# Altium PCB rev6.PcbDoc (part 4 of 4)
Units mil, origin at the board's own origin, x right, y up, seen from the top; angles counter-clockwise.
Board outline 1000 x 900 mil, 2 copper layers (Top Layer, Bottom Layer); 180 components, 16 nets, 1920 pads, 0 vias.
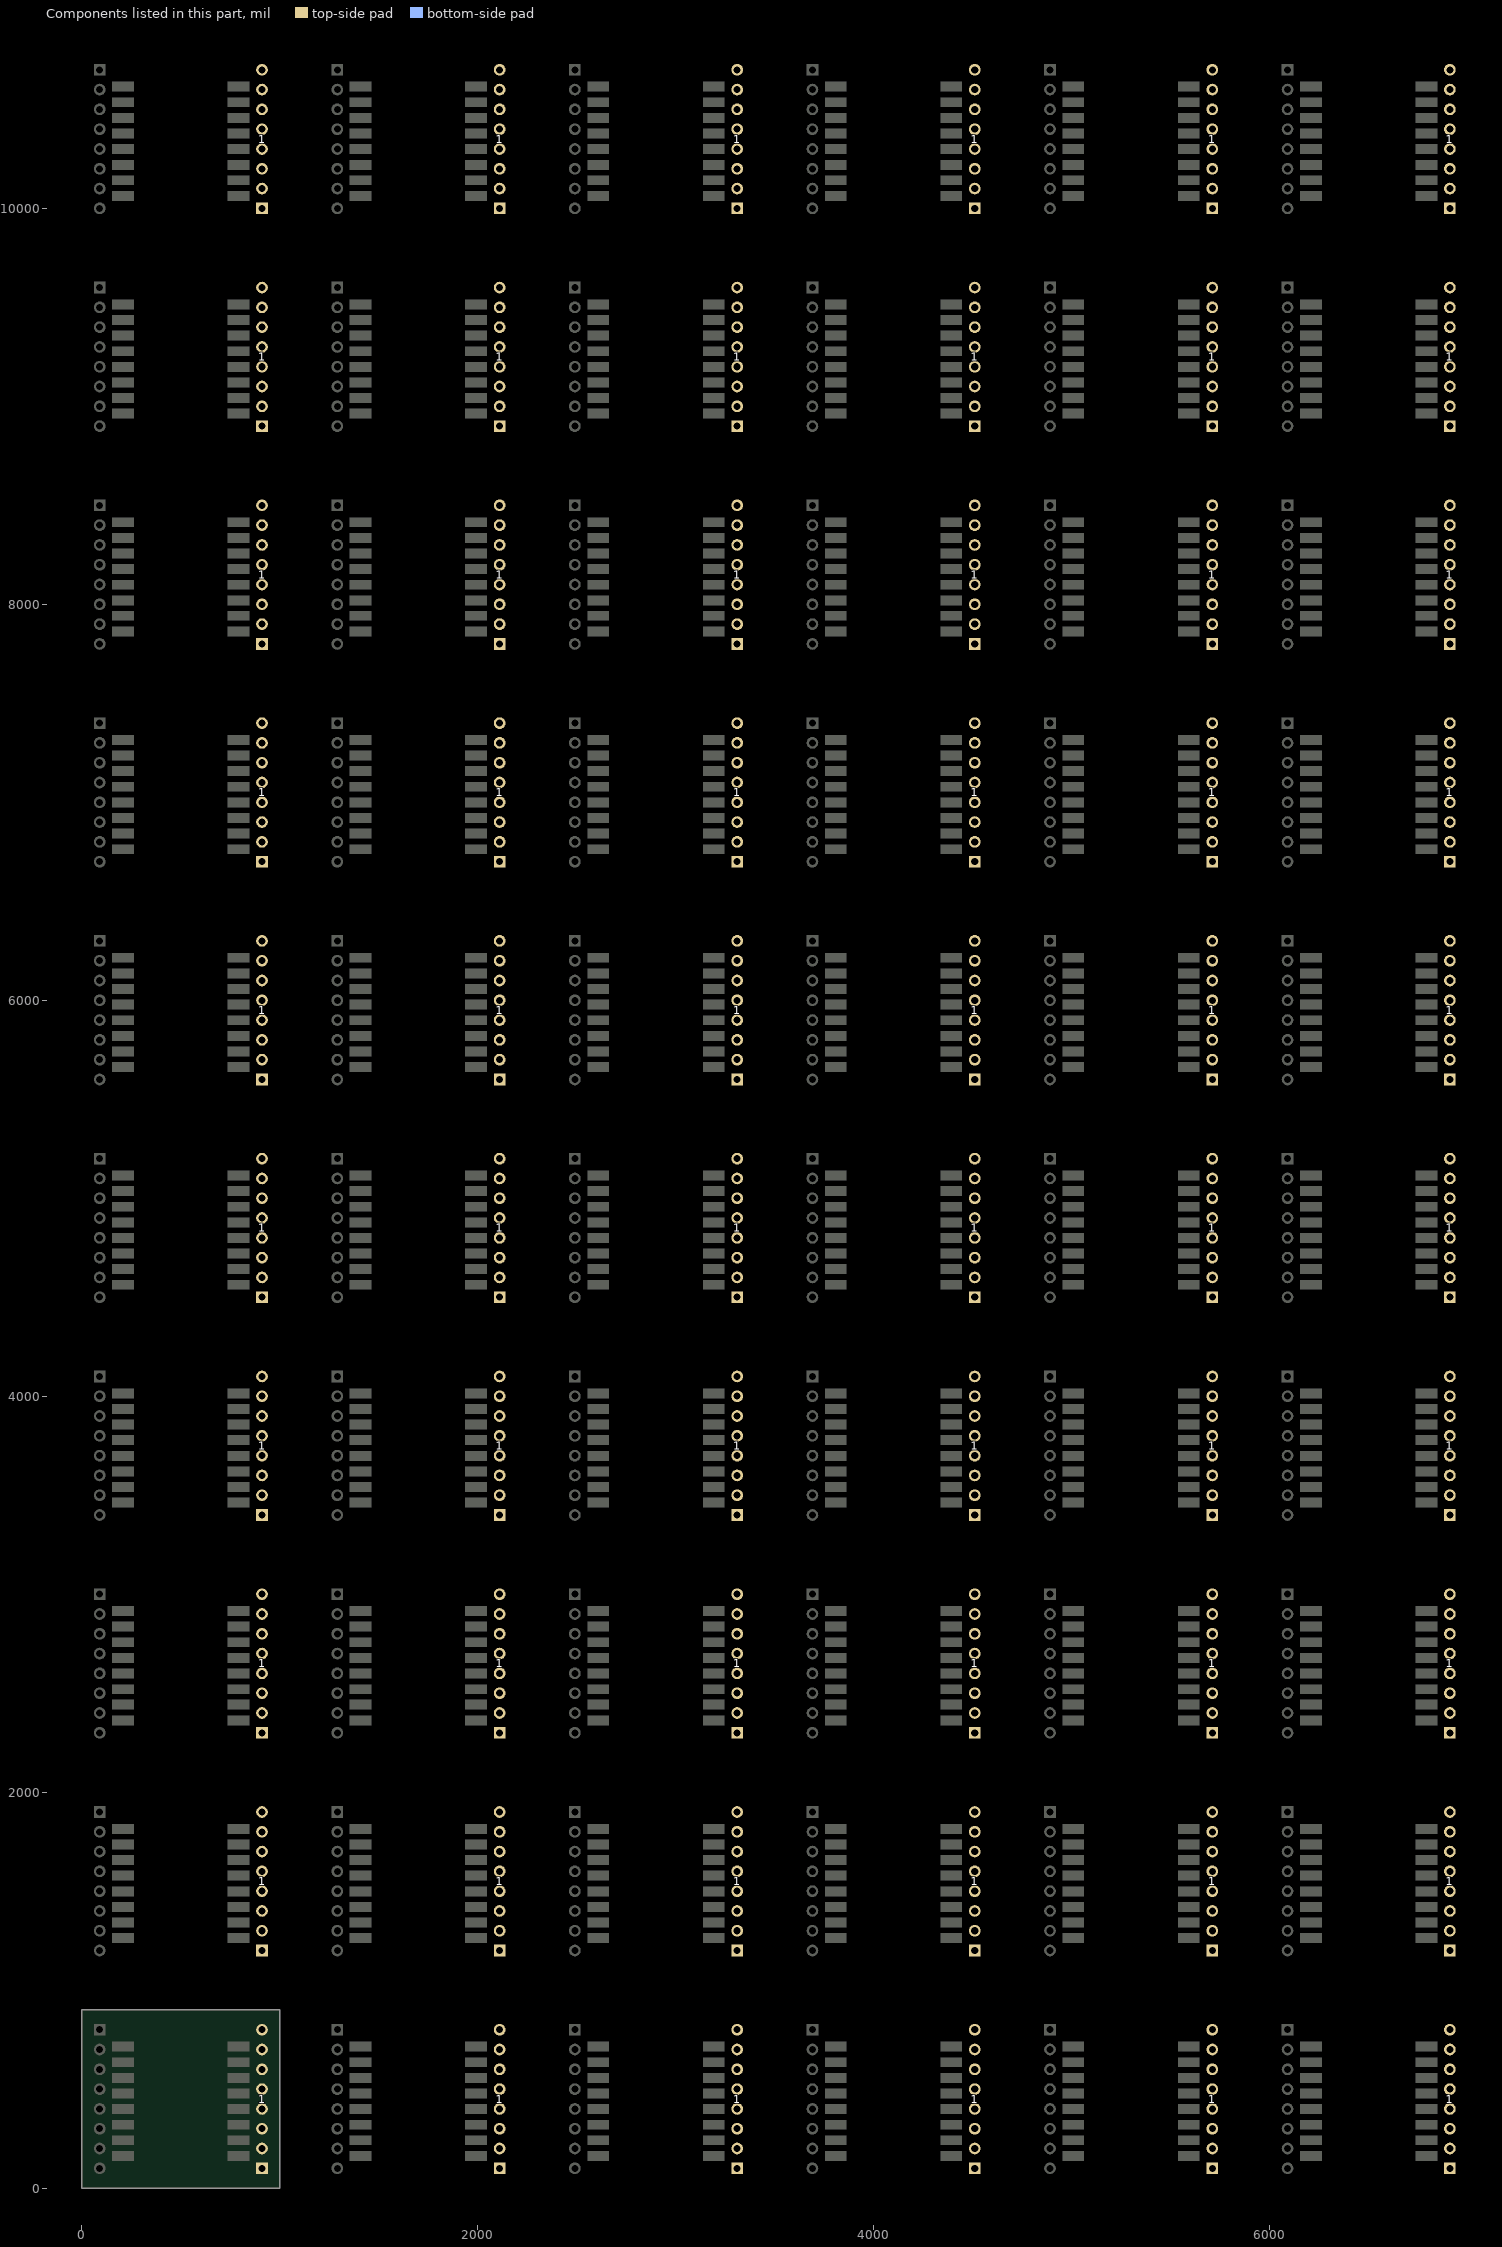
[diagram p4: the components of this part, seen from the top]

## Silkscreen, mask and mechanical layers (free items; w line width, h text height)
Top Overlay:
  text "ANT" at 32,10672 h23 r90
  text "ANT" at 1232,10672 h23 r90
  text "ANT" at 2432,10672 h23 r90
  text "ANT" at 3632,10672 h23 r90
  text "ANT" at 4832,10672 h23 r90
  text "ANT" at 6032,10672 h23 r90
  text "GND" at 991,10671 h23 r90
  text "GND" at 2191,10671 h23 r90
  text "GND" at 3391,10671 h23 r90
  text "GND" at 4591,10671 h23 r90
  text "GND" at 5791,10671 h23 r90
  text "GND" at 6991,10671 h23 r90
  text "D5" at 991,10587 h23 r90
  text "D5" at 2191,10587 h23 r90
  text "D5" at 3391,10587 h23 r90
  text "D5" at 4591,10587 h23 r90
  text "D5" at 5791,10587 h23 r90
  text "D5" at 6991,10587 h23 r90
  text "GND" at 32,10570 h23 r90
  text "GND" at 1232,10570 h23 r90
  text "GND" at 2432,10570 h23 r90
  text "GND" at 3632,10570 h23 r90
  text "GND" at 4832,10570 h23 r90
  text "GND" at 6032,10570 h23 r90
  text "D3" at 32,10482 h23 r90
  text "D3" at 1232,10482 h23 r90
  text "D3" at 2432,10482 h23 r90
  text "D3" at 3632,10482 h23 r90
  text "D3" at 4832,10482 h23 r90
  text "D3" at 6032,10482 h23 r90
  text "RST" at 991,10473 h23 r90
  text "RST" at 2191,10473 h23 r90
  text "RST" at 3391,10473 h23 r90
  text "RST" at 4591,10473 h23 r90
  text "RST" at 5791,10473 h23 r90
  text "RST" at 6991,10473 h23 r90
  text "NS" at 991,10381 h23 r90
  text "NS" at 2191,10381 h23 r90
  text "NS" at 3391,10381 h23 r90
  text "NS" at 4591,10381 h23 r90
  text "NS" at 5791,10381 h23 r90
  text "NS" at 6991,10381 h23 r90
  text "D4" at 32,10380 h23 r90
  text "D4" at 1232,10380 h23 r90
  text "D4" at 2432,10380 h23 r90
  text "D4" at 3632,10380 h23 r90
  text "D4" at 4832,10380 h23 r90
  text "D4" at 6032,10380 h23 r90
  text "SCK" at 991,10271 h23 r90
  text "SCK" at 2191,10271 h23 r90
  text "SCK" at 3391,10271 h23 r90
  text "SCK" at 4591,10271 h23 r90
  text "SCK" at 5791,10271 h23 r90
  text "SCK" at 6991,10271 h23 r90
  text "VCC" at 32,10268 h23 r90
  text "VCC" at 1232,10268 h23 r90
  text "VCC" at 2432,10268 h23 r90
  text "VCC" at 3632,10268 h23 r90
  text "VCC" at 4832,10268 h23 r90
  text "VCC" at 6032,10268 h23 r90
  text "D0" at 32,10183 h23 r90
  text "D0" at 1232,10183 h23 r90
  text "D0" at 2432,10183 h23 r90
  text "D0" at 3632,10183 h23 r90
  text "D0" at 4832,10183 h23 r90
  text "D0" at 6032,10183 h23 r90
  text "MO" at 991,10180 h23 r90
  text "MO" at 2191,10180 h23 r90
  text "MO" at 3391,10180 h23 r90
  text "MO" at 4591,10180 h23 r90
  text "MO" at 5791,10180 h23 r90
  text "MO" at 6991,10180 h23 r90
  text "MI" at 991,10089 h23 r90
  text "MI" at 2191,10089 h23 r90
  text "MI" at 3391,10089 h23 r90
  text "MI" at 4591,10089 h23 r90
  text "MI" at 5791,10089 h23 r90
  text "MI" at 6991,10089 h23 r90
  text "D1" at 32,10087 h23 r90
  text "D1" at 1232,10087 h23 r90
  text "D1" at 2432,10087 h23 r90
  text "D1" at 3632,10087 h23 r90
  text "D1" at 4832,10087 h23 r90
  text "D1" at 6032,10087 h23 r90
  text "D2" at 32,9984 h23 r90
  text "D2" at 1232,9984 h23 r90
  text "D2" at 2432,9984 h23 r90
  text "D2" at 3632,9984 h23 r90
  text "D2" at 4832,9984 h23 r90
  text "D2" at 6032,9984 h23 r90
  text "GND" at 991,9971 h23 r90
  text "GND" at 2191,9971 h23 r90
  text "GND" at 3391,9971 h23 r90
  text "GND" at 4591,9971 h23 r90
  text "GND" at 5791,9971 h23 r90
  text "GND" at 6991,9971 h23 r90
  text "LoRaWan Thailand." at 320,9955 h30
  text "LoRaWan Thailand." at 1520,9955 h30
  text "LoRaWan Thailand." at 2720,9955 h30
  text "LoRaWan Thailand." at 3920,9955 h30
  text "LoRaWan Thailand." at 5120,9955 h30
  text "LoRaWan Thailand." at 6320,9955 h30
  text "ANT" at 32,9572 h23 r90
  text "ANT" at 1232,9572 h23 r90
  text "ANT" at 2432,9572 h23 r90
  text "ANT" at 3632,9572 h23 r90
  text "ANT" at 4832,9572 h23 r90
  text "ANT" at 6032,9572 h23 r90
  text "GND" at 991,9571 h23 r90
  text "GND" at 2191,9571 h23 r90
  text "GND" at 3391,9571 h23 r90
  text "GND" at 4591,9571 h23 r90
  text "GND" at 5791,9571 h23 r90
  text "GND" at 6991,9571 h23 r90
  text "D5" at 991,9487 h23 r90
  text "D5" at 2191,9487 h23 r90
  text "D5" at 3391,9487 h23 r90
  text "D5" at 4591,9487 h23 r90
  text "D5" at 5791,9487 h23 r90
  text "D5" at 6991,9487 h23 r90
  text "GND" at 32,9470 h23 r90
  text "GND" at 1232,9470 h23 r90
  text "GND" at 2432,9470 h23 r90
  text "GND" at 3632,9470 h23 r90
  text "GND" at 4832,9470 h23 r90
  text "GND" at 6032,9470 h23 r90
  text "D3" at 32,9382 h23 r90
  text "D3" at 1232,9382 h23 r90
  text "D3" at 2432,9382 h23 r90
  text "D3" at 3632,9382 h23 r90
  text "D3" at 4832,9382 h23 r90
  text "D3" at 6032,9382 h23 r90
  text "RST" at 991,9373 h23 r90
  text "RST" at 2191,9373 h23 r90
  text "RST" at 3391,9373 h23 r90
  text "RST" at 4591,9373 h23 r90
  text "RST" at 5791,9373 h23 r90
  text "RST" at 6991,9373 h23 r90
  text "NS" at 991,9281 h23 r90
  text "NS" at 2191,9281 h23 r90
  text "NS" at 3391,9281 h23 r90
  text "NS" at 4591,9281 h23 r90
  text "NS" at 5791,9281 h23 r90
  text "NS" at 6991,9281 h23 r90
  text "D4" at 32,9280 h23 r90
  text "D4" at 1232,9280 h23 r90
  text "D4" at 2432,9280 h23 r90
  text "D4" at 3632,9280 h23 r90
  text "D4" at 4832,9280 h23 r90
  text "D4" at 6032,9280 h23 r90
  text "SCK" at 991,9171 h23 r90
  text "SCK" at 2191,9171 h23 r90
  text "SCK" at 3391,9171 h23 r90
  text "SCK" at 4591,9171 h23 r90
  text "SCK" at 5791,9171 h23 r90
  text "SCK" at 6991,9171 h23 r90
  text "VCC" at 32,9168 h23 r90
  text "VCC" at 1232,9168 h23 r90
  text "VCC" at 2432,9168 h23 r90
  text "VCC" at 3632,9168 h23 r90
  text "VCC" at 4832,9168 h23 r90
  text "VCC" at 6032,9168 h23 r90
  text "D0" at 32,9083 h23 r90
  text "D0" at 1232,9083 h23 r90
  text "D0" at 2432,9083 h23 r90
  text "D0" at 3632,9083 h23 r90
  text "D0" at 4832,9083 h23 r90
  text "D0" at 6032,9083 h23 r90
  text "MO" at 991,9080 h23 r90
  text "MO" at 2191,9080 h23 r90
  text "MO" at 3391,9080 h23 r90
  text "MO" at 4591,9080 h23 r90
  text "MO" at 5791,9080 h23 r90
  text "MO" at 6991,9080 h23 r90
  text "MI" at 991,8989 h23 r90
  text "MI" at 2191,8989 h23 r90
  text "MI" at 3391,8989 h23 r90
  text "MI" at 4591,8989 h23 r90
  text "MI" at 5791,8989 h23 r90
  text "MI" at 6991,8989 h23 r90
  text "D1" at 32,8987 h23 r90
  text "D1" at 1232,8987 h23 r90
  text "D1" at 2432,8987 h23 r90
  text "D1" at 3632,8987 h23 r90
  text "D1" at 4832,8987 h23 r90
  text "D1" at 6032,8987 h23 r90
  text "D2" at 32,8884 h23 r90
  text "D2" at 1232,8884 h23 r90
  text "D2" at 2432,8884 h23 r90
  text "D2" at 3632,8884 h23 r90
  text "D2" at 4832,8884 h23 r90
  text "D2" at 6032,8884 h23 r90
  text "GND" at 991,8871 h23 r90
  text "GND" at 2191,8871 h23 r90
  text "GND" at 3391,8871 h23 r90
  text "GND" at 4591,8871 h23 r90
  text "GND" at 5791,8871 h23 r90
  text "GND" at 6991,8871 h23 r90
  text "LoRaWan Thailand." at 320,8855 h30
  text "LoRaWan Thailand." at 1520,8855 h30
  text "LoRaWan Thailand." at 2720,8855 h30
  text "LoRaWan Thailand." at 3920,8855 h30
  text "LoRaWan Thailand." at 5120,8855 h30
  text "LoRaWan Thailand." at 6320,8855 h30
  text "ANT" at 32,8472 h23 r90
  text "ANT" at 1232,8472 h23 r90
  text "ANT" at 2432,8472 h23 r90
  text "ANT" at 3632,8472 h23 r90
  text "ANT" at 4832,8472 h23 r90
  text "ANT" at 6032,8472 h23 r90
  text "GND" at 991,8471 h23 r90
  text "GND" at 2191,8471 h23 r90
  text "GND" at 3391,8471 h23 r90
  text "GND" at 4591,8471 h23 r90
  text "GND" at 5791,8471 h23 r90
  text "GND" at 6991,8471 h23 r90
  text "D5" at 991,8387 h23 r90
  text "D5" at 2191,8387 h23 r90
  text "D5" at 3391,8387 h23 r90
  text "D5" at 4591,8387 h23 r90
  text "D5" at 5791,8387 h23 r90
  text "D5" at 6991,8387 h23 r90
  text "GND" at 32,8370 h23 r90
  text "GND" at 1232,8370 h23 r90
  text "GND" at 2432,8370 h23 r90
  text "GND" at 3632,8370 h23 r90
  text "GND" at 4832,8370 h23 r90
  text "GND" at 6032,8370 h23 r90
  text "D3" at 32,8282 h23 r90
  text "D3" at 1232,8282 h23 r90
  text "D3" at 2432,8282 h23 r90
  text "D3" at 3632,8282 h23 r90
  text "D3" at 4832,8282 h23 r90
  text "D3" at 6032,8282 h23 r90
  text "RST" at 991,8273 h23 r90
  text "RST" at 2191,8273 h23 r90
  text "RST" at 3391,8273 h23 r90
  text "RST" at 4591,8273 h23 r90
  text "RST" at 5791,8273 h23 r90
  text "RST" at 6991,8273 h23 r90
  text "NS" at 991,8181 h23 r90
  text "NS" at 2191,8181 h23 r90
  text "NS" at 3391,8181 h23 r90
  text "NS" at 4591,8181 h23 r90
  text "NS" at 5791,8181 h23 r90
  text "NS" at 6991,8181 h23 r90
  text "D4" at 32,8180 h23 r90
  text "D4" at 1232,8180 h23 r90
  text "D4" at 2432,8180 h23 r90
  text "D4" at 3632,8180 h23 r90
  text "D4" at 4832,8180 h23 r90
  text "D4" at 6032,8180 h23 r90
  text "SCK" at 991,8071 h23 r90
  text "SCK" at 2191,8071 h23 r90
  text "SCK" at 3391,8071 h23 r90
  text "SCK" at 4591,8071 h23 r90
  text "SCK" at 5791,8071 h23 r90
  text "SCK" at 6991,8071 h23 r90
  text "VCC" at 32,8068 h23 r90
  text "VCC" at 1232,8068 h23 r90
  text "VCC" at 2432,8068 h23 r90
  text "VCC" at 3632,8068 h23 r90
  text "VCC" at 4832,8068 h23 r90
  text "VCC" at 6032,8068 h23 r90
  text "D0" at 32,7983 h23 r90
  text "D0" at 1232,7983 h23 r90
  text "D0" at 2432,7983 h23 r90
  text "D0" at 3632,7983 h23 r90
  text "D0" at 4832,7983 h23 r90
  text "D0" at 6032,7983 h23 r90
  text "MO" at 991,7980 h23 r90
  text "MO" at 2191,7980 h23 r90
  text "MO" at 3391,7980 h23 r90
  text "MO" at 4591,7980 h23 r90
  text "MO" at 5791,7980 h23 r90
  text "MO" at 6991,7980 h23 r90
  text "MI" at 991,7889 h23 r90
  text "MI" at 2191,7889 h23 r90
  text "MI" at 3391,7889 h23 r90
  text "MI" at 4591,7889 h23 r90
  text "MI" at 5791,7889 h23 r90
  text "MI" at 6991,7889 h23 r90
  text "D1" at 32,7887 h23 r90
  text "D1" at 1232,7887 h23 r90
  text "D1" at 2432,7887 h23 r90
  text "D1" at 3632,7887 h23 r90
  text "D1" at 4832,7887 h23 r90
  text "D1" at 6032,7887 h23 r90
  text "D2" at 32,7784 h23 r90
  text "D2" at 1232,7784 h23 r90
  text "D2" at 2432,7784 h23 r90
  text "D2" at 3632,7784 h23 r90
  text "D2" at 4832,7784 h23 r90
  text "D2" at 6032,7784 h23 r90
  text "GND" at 991,7771 h23 r90
  text "GND" at 2191,7771 h23 r90
  text "GND" at 3391,7771 h23 r90
  text "GND" at 4591,7771 h23 r90
  text "GND" at 5791,7771 h23 r90
  text "GND" at 6991,7771 h23 r90
  text "LoRaWan Thailand." at 320,7755 h30
  text "LoRaWan Thailand." at 1520,7755 h30
  text "LoRaWan Thailand." at 2720,7755 h30
  text "LoRaWan Thailand." at 3920,7755 h30
  text "LoRaWan Thailand." at 5120,7755 h30
  text "LoRaWan Thailand." at 6320,7755 h30
  text "ANT" at 32,7372 h23 r90
  text "ANT" at 1232,7372 h23 r90
  text "ANT" at 2432,7372 h23 r90
  text "ANT" at 3632,7372 h23 r90
  text "ANT" at 4832,7372 h23 r90
  text "ANT" at 6032,7372 h23 r90
  text "GND" at 991,7371 h23 r90
  text "GND" at 2191,7371 h23 r90
  text "GND" at 3391,7371 h23 r90
  text "GND" at 4591,7371 h23 r90
  text "GND" at 5791,7371 h23 r90
  text "GND" at 6991,7371 h23 r90
  text "D5" at 991,7287 h23 r90
  text "D5" at 2191,7287 h23 r90
  text "D5" at 3391,7287 h23 r90
  text "D5" at 4591,7287 h23 r90
  text "D5" at 5791,7287 h23 r90
  text "D5" at 6991,7287 h23 r90
  text "GND" at 32,7270 h23 r90
  text "GND" at 1232,7270 h23 r90
  text "GND" at 2432,7270 h23 r90
  text "GND" at 3632,7270 h23 r90
  text "GND" at 4832,7270 h23 r90
  text "GND" at 6032,7270 h23 r90
  text "D3" at 32,7182 h23 r90
  text "D3" at 1232,7182 h23 r90
  text "D3" at 2432,7182 h23 r90
  text "D3" at 3632,7182 h23 r90
  text "D3" at 4832,7182 h23 r90
  text "D3" at 6032,7182 h23 r90
  text "RST" at 991,7173 h23 r90
  text "RST" at 2191,7173 h23 r90
  text "RST" at 3391,7173 h23 r90
  text "RST" at 4591,7173 h23 r90
  text "RST" at 5791,7173 h23 r90
  text "RST" at 6991,7173 h23 r90
  text "NS" at 991,7081 h23 r90
  text "NS" at 2191,7081 h23 r90
  text "NS" at 3391,7081 h23 r90
  text "NS" at 4591,7081 h23 r90
  text "NS" at 5791,7081 h23 r90
  text "NS" at 6991,7081 h23 r90
  text "D4" at 32,7080 h23 r90
  text "D4" at 1232,7080 h23 r90
  text "D4" at 2432,7080 h23 r90
  text "D4" at 3632,7080 h23 r90
  text "D4" at 4832,7080 h23 r90
  text "D4" at 6032,7080 h23 r90
  text "SCK" at 991,6971 h23 r90
  text "SCK" at 2191,6971 h23 r90
  text "SCK" at 3391,6971 h23 r90
  text "SCK" at 4591,6971 h23 r90
  text "SCK" at 5791,6971 h23 r90
  text "SCK" at 6991,6971 h23 r90
  text "VCC" at 32,6968 h23 r90
  text "VCC" at 1232,6968 h23 r90
  text "VCC" at 2432,6968 h23 r90
  text "VCC" at 3632,6968 h23 r90
  text "VCC" at 4832,6968 h23 r90
  text "VCC" at 6032,6968 h23 r90
  text "D0" at 32,6883 h23 r90
  text "D0" at 1232,6883 h23 r90
  text "D0" at 2432,6883 h23 r90
  text "D0" at 3632,6883 h23 r90
  text "D0" at 4832,6883 h23 r90
  text "D0" at 6032,6883 h23 r90
  text "MO" at 991,6880 h23 r90
  text "MO" at 2191,6880 h23 r90
  text "MO" at 3391,6880 h23 r90
  text "MO" at 4591,6880 h23 r90
  text "MO" at 5791,6880 h23 r90
  text "MO" at 6991,6880 h23 r90
  text "MI" at 991,6789 h23 r90
  text "MI" at 2191,6789 h23 r90
  text "MI" at 3391,6789 h23 r90
  text "MI" at 4591,6789 h23 r90
  text "MI" at 5791,6789 h23 r90
  text "MI" at 6991,6789 h23 r90
  text "D1" at 32,6787 h23 r90
  text "D1" at 1232,6787 h23 r90
  text "D1" at 2432,6787 h23 r90
  text "D1" at 3632,6787 h23 r90
  text "D1" at 4832,6787 h23 r90
  text "D1" at 6032,6787 h23 r90
  text "D2" at 32,6684 h23 r90
  text "D2" at 1232,6684 h23 r90
  text "D2" at 2432,6684 h23 r90
  text "D2" at 3632,6684 h23 r90
  text "D2" at 4832,6684 h23 r90
  text "D2" at 6032,6684 h23 r90
  text "GND" at 991,6671 h23 r90
  text "GND" at 2191,6671 h23 r90
  text "GND" at 3391,6671 h23 r90
  text "GND" at 4591,6671 h23 r90
  text "GND" at 5791,6671 h23 r90
  text "GND" at 6991,6671 h23 r90
  text "LoRaWan Thailand." at 320,6655 h30
  text "LoRaWan Thailand." at 1520,6655 h30
  text "LoRaWan Thailand." at 2720,6655 h30
  text "LoRaWan Thailand." at 3920,6655 h30
  text "LoRaWan Thailand." at 5120,6655 h30
  text "LoRaWan Thailand." at 6320,6655 h30
  text "ANT" at 32,6272 h23 r90
  text "ANT" at 1232,6272 h23 r90
  text "ANT" at 2432,6272 h23 r90
  text "ANT" at 3632,6272 h23 r90
  text "ANT" at 4832,6272 h23 r90
  text "ANT" at 6032,6272 h23 r90
  text "GND" at 991,6271 h23 r90
  text "GND" at 2191,6271 h23 r90
  text "GND" at 3391,6271 h23 r90
  text "GND" at 4591,6271 h23 r90
  text "GND" at 5791,6271 h23 r90
  text "GND" at 6991,6271 h23 r90
  text "D5" at 991,6187 h23 r90
  text "D5" at 2191,6187 h23 r90
  text "D5" at 3391,6187 h23 r90
  text "D5" at 4591,6187 h23 r90
  text "D5" at 5791,6187 h23 r90
  text "D5" at 6991,6187 h23 r90
  text "GND" at 32,6170 h23 r90
  text "GND" at 1232,6170 h23 r90
  text "GND" at 2432,6170 h23 r90
  text "GND" at 3632,6170 h23 r90
  text "GND" at 4832,6170 h23 r90
  text "GND" at 6032,6170 h23 r90
  text "D3" at 32,6082 h23 r90
  text "D3" at 1232,6082 h23 r90
  text "D3" at 2432,6082 h23 r90
  text "D3" at 3632,6082 h23 r90
  text "D3" at 4832,6082 h23 r90
  text "D3" at 6032,6082 h23 r90
  text "RST" at 991,6073 h23 r90
  text "RST" at 2191,6073 h23 r90
  text "RST" at 3391,6073 h23 r90
  text "RST" at 4591,6073 h23 r90
  text "RST" at 5791,6073 h23 r90
  text "RST" at 6991,6073 h23 r90
  text "NS" at 991,5981 h23 r90
  text "NS" at 2191,5981 h23 r90
  text "NS" at 3391,5981 h23 r90
  text "NS" at 4591,5981 h23 r90
  text "NS" at 5791,5981 h23 r90
  text "NS" at 6991,5981 h23 r90
  text "D4" at 32,5980 h23 r90
  text "D4" at 1232,5980 h23 r90
  text "D4" at 2432,5980 h23 r90
  text "D4" at 3632,5980 h23 r90
  text "D4" at 4832,5980 h23 r90
  text "D4" at 6032,5980 h23 r90
  text "SCK" at 991,5871 h23 r90
  text "SCK" at 2191,5871 h23 r90
  text "SCK" at 3391,5871 h23 r90
  text "SCK" at 4591,5871 h23 r90
  text "SCK" at 5791,5871 h23 r90
  text "SCK" at 6991,5871 h23 r90
  text "VCC" at 32,5868 h23 r90
  text "VCC" at 1232,5868 h23 r90
  text "VCC" at 2432,5868 h23 r90
  text "VCC" at 3632,5868 h23 r90
  text "VCC" at 4832,5868 h23 r90
  text "VCC" at 6032,5868 h23 r90
  text "D0" at 32,5783 h23 r90
  text "D0" at 1232,5783 h23 r90
  text "D0" at 2432,5783 h23 r90
  text "D0" at 3632,5783 h23 r90
  text "D0" at 4832,5783 h23 r90
  text "D0" at 6032,5783 h23 r90
  text "MO" at 991,5780 h23 r90
  text "MO" at 2191,5780 h23 r90
  text "MO" at 3391,5780 h23 r90
  text "MO" at 4591,5780 h23 r90
  text "MO" at 5791,5780 h23 r90
  text "MO" at 6991,5780 h23 r90
  text "MI" at 991,5689 h23 r90
  text "MI" at 2191,5689 h23 r90
  text "MI" at 3391,5689 h23 r90
  text "MI" at 4591,5689 h23 r90
  text "MI" at 5791,5689 h23 r90
  text "MI" at 6991,5689 h23 r90
  text "D1" at 32,5687 h23 r90
  text "D1" at 1232,5687 h23 r90
  text "D1" at 2432,5687 h23 r90
  text "D1" at 3632,5687 h23 r90
  text "D1" at 4832,5687 h23 r90
  text "D1" at 6032,5687 h23 r90
  text "D2" at 32,5584 h23 r90
  text "D2" at 1232,5584 h23 r90
  text "D2" at 2432,5584 h23 r90
  text "D2" at 3632,5584 h23 r90
  text "D2" at 4832,5584 h23 r90
  text "D2" at 6032,5584 h23 r90
  text "GND" at 991,5571 h23 r90
  text "GND" at 2191,5571 h23 r90
  text "GND" at 3391,5571 h23 r90
  text "GND" at 4591,5571 h23 r90
  text "GND" at 5791,5571 h23 r90
  text "GND" at 6991,5571 h23 r90
  text "LoRaWan Thailand." at 320,5555 h30
  text "LoRaWan Thailand." at 1520,5555 h30
  text "LoRaWan Thailand." at 2720,5555 h30
  text "LoRaWan Thailand." at 3920,5555 h30
  text "LoRaWan Thailand." at 5120,5555 h30
  text "LoRaWan Thailand." at 6320,5555 h30
  text "ANT" at 32,5172 h23 r90
  text "ANT" at 1232,5172 h23 r90
  text "ANT" at 2432,5172 h23 r90
  text "ANT" at 3632,5172 h23 r90
  text "ANT" at 4832,5172 h23 r90
  text "ANT" at 6032,5172 h23 r90
  text "GND" at 991,5171 h23 r90
  text "GND" at 2191,5171 h23 r90
  text "GND" at 3391,5171 h23 r90
  text "GND" at 4591,5171 h23 r90
  text "GND" at 5791,5171 h23 r90
  text "GND" at 6991,5171 h23 r90
  text "D5" at 991,5087 h23 r90
  text "D5" at 2191,5087 h23 r90
  text "D5" at 3391,5087 h23 r90
  text "D5" at 4591,5087 h23 r90
  text "D5" at 5791,5087 h23 r90
  text "D5" at 6991,5087 h23 r90
  text "GND" at 32,5070 h23 r90
  text "GND" at 1232,5070 h23 r90
  text "GND" at 2432,5070 h23 r90
  text "GND" at 3632,5070 h23 r90
  text "GND" at 4832,5070 h23 r90
  text "GND" at 6032,5070 h23 r90
  text "D3" at 32,4982 h23 r90
  text "D3" at 1232,4982 h23 r90
  text "D3" at 2432,4982 h23 r90
  text "D3" at 3632,4982 h23 r90
  text "D3" at 4832,4982 h23 r90
  text "D3" at 6032,4982 h23 r90
  text "RST" at 991,4973 h23 r90
  text "RST" at 2191,4973 h23 r90
  text "RST" at 3391,4973 h23 r90
  text "RST" at 4591,4973 h23 r90
  text "RST" at 5791,4973 h23 r90
  text "RST" at 6991,4973 h23 r90
  text "NS" at 991,4881 h23 r90
  text "NS" at 2191,4881 h23 r90
  text "NS" at 3391,4881 h23 r90
  text "NS" at 4591,4881 h23 r90
  text "NS" at 5791,4881 h23 r90
  text "NS" at 6991,4881 h23 r90
  text "D4" at 32,4880 h23 r90
  text "D4" at 1232,4880 h23 r90
  text "D4" at 2432,4880 h23 r90
  text "D4" at 3632,4880 h23 r90
  text "D4" at 4832,4880 h23 r90
  text "D4" at 6032,4880 h23 r90
  text "SCK" at 991,4771 h23 r90
  text "SCK" at 2191,4771 h23 r90
  text "SCK" at 3391,4771 h23 r90
  text "SCK" at 4591,4771 h23 r90
  text "SCK" at 5791,4771 h23 r90
  text "SCK" at 6991,4771 h23 r90
  text "VCC" at 32,4768 h23 r90
  text "VCC" at 1232,4768 h23 r90
  text "VCC" at 2432,4768 h23 r90
  text "VCC" at 3632,4768 h23 r90
  text "VCC" at 4832,4768 h23 r90
  text "VCC" at 6032,4768 h23 r90
  text "D0" at 32,4683 h23 r90
  text "D0" at 1232,4683 h23 r90
  text "D0" at 2432,4683 h23 r90
  text "D0" at 3632,4683 h23 r90
  text "D0" at 4832,4683 h23 r90
  text "D0" at 6032,4683 h23 r90
  text "MO" at 991,4680 h23 r90
  text "MO" at 2191,4680 h23 r90
  text "MO" at 3391,4680 h23 r90
  text "MO" at 4591,4680 h23 r90
  text "MO" at 5791,4680 h23 r90
  text "MO" at 6991,4680 h23 r90
  text "MI" at 991,4589 h23 r90
  text "MI" at 2191,4589 h23 r90
  text "MI" at 3391,4589 h23 r90
  text "MI" at 4591,4589 h23 r90
  text "MI" at 5791,4589 h23 r90
  text "MI" at 6991,4589 h23 r90
  text "D1" at 32,4587 h23 r90
  text "D1" at 1232,4587 h23 r90
  text "D1" at 2432,4587 h23 r90
  text "D1" at 3632,4587 h23 r90
  text "D1" at 4832,4587 h23 r90
  text "D1" at 6032,4587 h23 r90
  text "D2" at 32,4484 h23 r90
  text "D2" at 1232,4484 h23 r90
  text "D2" at 2432,4484 h23 r90
  text "D2" at 3632,4484 h23 r90
  text "D2" at 4832,4484 h23 r90
  text "D2" at 6032,4484 h23 r90
  text "GND" at 991,4471 h23 r90
  text "GND" at 2191,4471 h23 r90
  text "GND" at 3391,4471 h23 r90
  text "GND" at 4591,4471 h23 r90
  text "GND" at 5791,4471 h23 r90
  text "GND" at 6991,4471 h23 r90
  text "LoRaWan Thailand." at 320,4455 h30
  text "LoRaWan Thailand." at 1520,4455 h30
  text "LoRaWan Thailand." at 2720,4455 h30
  text "LoRaWan Thailand." at 3920,4455 h30
  text "LoRaWan Thailand." at 5120,4455 h30
  text "LoRaWan Thailand." at 6320,4455 h30
  text "ANT" at 32,4072 h23 r90
  text "ANT" at 1232,4072 h23 r90
  text "ANT" at 2432,4072 h23 r90
  text "ANT" at 3632,4072 h23 r90
  text "ANT" at 4832,4072 h23 r90
  text "ANT" at 6032,4072 h23 r90
  text "GND" at 991,4071 h23 r90
  text "GND" at 2191,4071 h23 r90
  text "GND" at 3391,4071 h23 r90
  text "GND" at 4591,4071 h23 r90
  text "GND" at 5791,4071 h23 r90
  text "GND" at 6991,4071 h23 r90
  text "D5" at 991,3987 h23 r90
  text "D5" at 2191,3987 h23 r90
  text "D5" at 3391,3987 h23 r90
  text "D5" at 4591,3987 h23 r90
  text "D5" at 5791,3987 h23 r90
  text "D5" at 6991,3987 h23 r90
  text "GND" at 32,3970 h23 r90
  text "GND" at 1232,3970 h23 r90
  text "GND" at 2432,3970 h23 r90
  text "GND" at 3632,3970 h23 r90
  text "GND" at 4832,3970 h23 r90
  text "GND" at 6032,3970 h23 r90
  text "D3" at 32,3882 h23 r90
  text "D3" at 1232,3882 h23 r90
  text "D3" at 2432,3882 h23 r90
  text "D3" at 3632,3882 h23 r90
  text "D3" at 4832,3882 h23 r90
  text "D3" at 6032,3882 h23 r90
  text "RST" at 991,3873 h23 r90
  text "RST" at 2191,3873 h23 r90
  text "RST" at 3391,3873 h23 r90
  text "RST" at 4591,3873 h23 r90
  text "RST" at 5791,3873 h23 r90
  text "RST" at 6991,3873 h23 r90
  text "NS" at 991,3781 h23 r90
  text "NS" at 2191,3781 h23 r90
  text "NS" at 3391,3781 h23 r90
  text "NS" at 4591,3781 h23 r90
  text "NS" at 5791,3781 h23 r90
  text "NS" at 6991,3781 h23 r90
  text "D4" at 32,3780 h23 r90
  text "D4" at 1232,3780 h23 r90
  text "D4" at 2432,3780 h23 r90
  text "D4" at 3632,3780 h23 r90
  text "D4" at 4832,3780 h23 r90
  text "D4" at 6032,3780 h23 r90
  text "SCK" at 991,3671 h23 r90
  text "SCK" at 2191,3671 h23 r90
  text "SCK" at 3391,3671 h23 r90
  text "SCK" at 4591,3671 h23 r90
  text "SCK" at 5791,3671 h23 r90
  text "SCK" at 6991,3671 h23 r90
  text "VCC" at 32,3668 h23 r90
  text "VCC" at 1232,3668 h23 r90
  text "VCC" at 2432,3668 h23 r90
  text "VCC" at 3632,3668 h23 r90
  text "VCC" at 4832,3668 h23 r90
  text "VCC" at 6032,3668 h23 r90
  text "D0" at 32,3583 h23 r90
  text "D0" at 1232,3583 h23 r90
  text "D0" at 2432,3583 h23 r90
  text "D0" at 3632,3583 h23 r90
  text "D0" at 4832,3583 h23 r90
  text "D0" at 6032,3583 h23 r90
  text "MO" at 991,3580 h23 r90
  text "MO" at 2191,3580 h23 r90
  text "MO" at 3391,3580 h23 r90
  text "MO" at 4591,3580 h23 r90
  text "MO" at 5791,3580 h23 r90
  text "MO" at 6991,3580 h23 r90
  text "MI" at 991,3489 h23 r90
  text "MI" at 2191,3489 h23 r90
  text "MI" at 3391,3489 h23 r90
  text "MI" at 4591,3489 h23 r90
  text "MI" at 5791,3489 h23 r90
  text "MI" at 6991,3489 h23 r90
  text "D1" at 32,3487 h23 r90
  text "D1" at 1232,3487 h23 r90
  text "D1" at 2432,3487 h23 r90
  text "D1" at 3632,3487 h23 r90
  text "D1" at 4832,3487 h23 r90
  text "D1" at 6032,3487 h23 r90
  text "D2" at 32,3384 h23 r90
  text "D2" at 1232,3384 h23 r90
  text "D2" at 2432,3384 h23 r90
  text "D2" at 3632,3384 h23 r90
  text "D2" at 4832,3384 h23 r90
  text "D2" at 6032,3384 h23 r90
  text "GND" at 991,3371 h23 r90
  text "GND" at 2191,3371 h23 r90
  text "GND" at 3391,3371 h23 r90
  text "GND" at 4591,3371 h23 r90
  text "GND" at 5791,3371 h23 r90
  text "GND" at 6991,3371 h23 r90
  text "LoRaWan Thailand." at 320,3355 h30
  text "LoRaWan Thailand." at 1520,3355 h30
  text "LoRaWan Thailand." at 2720,3355 h30
  text "LoRaWan Thailand." at 3920,3355 h30
  text "LoRaWan Thailand." at 5120,3355 h30
  text "LoRaWan Thailand." at 6320,3355 h30
  text "ANT" at 32,2972 h23 r90
  text "ANT" at 1232,2972 h23 r90
  text "ANT" at 2432,2972 h23 r90
  text "ANT" at 3632,2972 h23 r90
  text "ANT" at 4832,2972 h23 r90
  text "ANT" at 6032,2972 h23 r90
  text "GND" at 991,2971 h23 r90
  text "GND" at 2191,2971 h23 r90
  text "GND" at 3391,2971 h23 r90
  text "GND" at 4591,2971 h23 r90
  text "GND" at 5791,2971 h23 r90
  text "GND" at 6991,2971 h23 r90
  text "D5" at 991,2887 h23 r90
  text "D5" at 2191,2887 h23 r90
  text "D5" at 3391,2887 h23 r90
  text "D5" at 4591,2887 h23 r90
  text "D5" at 5791,2887 h23 r90
  text "D5" at 6991,2887 h23 r90
  text "GND" at 32,2870 h23 r90
  text "GND" at 1232,2870 h23 r90
  text "GND" at 2432,2870 h23 r90
  text "GND" at 3632,2870 h23 r90
  text "GND" at 4832,2870 h23 r90
  text "GND" at 6032,2870 h23 r90
  text "D3" at 32,2782 h23 r90
  text "D3" at 1232,2782 h23 r90
  text "D3" at 2432,2782 h23 r90
  text "D3" at 3632,2782 h23 r90
  text "D3" at 4832,2782 h23 r90
  text "D3" at 6032,2782 h23 r90
  text "RST" at 991,2773 h23 r90
  text "RST" at 2191,2773 h23 r90
  text "RST" at 3391,2773 h23 r90
  text "RST" at 4591,2773 h23 r90
  text "RST" at 5791,2773 h23 r90
  text "RST" at 6991,2773 h23 r90
  text "NS" at 991,2681 h23 r90
  text "NS" at 2191,2681 h23 r90
  text "NS" at 3391,2681 h23 r90
  text "NS" at 4591,2681 h23 r90
  text "NS" at 5791,2681 h23 r90
  text "NS" at 6991,2681 h23 r90
  text "D4" at 32,2680 h23 r90
  text "D4" at 1232,2680 h23 r90
  text "D4" at 2432,2680 h23 r90
  text "D4" at 3632,2680 h23 r90
  text "D4" at 4832,2680 h23 r90
  text "D4" at 6032,2680 h23 r90
  text "SCK" at 991,2571 h23 r90
  text "SCK" at 2191,2571 h23 r90
  text "SCK" at 3391,2571 h23 r90
  text "SCK" at 4591,2571 h23 r90
  text "SCK" at 5791,2571 h23 r90
  text "SCK" at 6991,2571 h23 r90
  text "VCC" at 32,2568 h23 r90
  text "VCC" at 1232,2568 h23 r90
  text "VCC" at 2432,2568 h23 r90
  text "VCC" at 3632,2568 h23 r90
  text "VCC" at 4832,2568 h23 r90
  text "VCC" at 6032,2568 h23 r90
  text "D0" at 32,2483 h23 r90
  text "D0" at 1232,2483 h23 r90
  text "D0" at 2432,2483 h23 r90
  text "D0" at 3632,2483 h23 r90
  text "D0" at 4832,2483 h23 r90
  text "D0" at 6032,2483 h23 r90
  text "MO" at 991,2480 h23 r90
  text "MO" at 2191,2480 h23 r90
  text "MO" at 3391,2480 h23 r90
  text "MO" at 4591,2480 h23 r90
  text "MO" at 5791,2480 h23 r90
  text "MO" at 6991,2480 h23 r90
  text "MI" at 991,2389 h23 r90
  text "MI" at 2191,2389 h23 r90
  text "MI" at 3391,2389 h23 r90
  text "MI" at 4591,2389 h23 r90
  text "MI" at 5791,2389 h23 r90
  text "MI" at 6991,2389 h23 r90
  text "D1" at 32,2387 h23 r90
  text "D1" at 1232,2387 h23 r90
  text "D1" at 2432,2387 h23 r90
  text "D1" at 3632,2387 h23 r90
  text "D1" at 4832,2387 h23 r90
  text "D1" at 6032,2387 h23 r90
  text "D2" at 32,2284 h23 r90
  text "D2" at 1232,2284 h23 r90
  text "D2" at 2432,2284 h23 r90
  text "D2" at 3632,2284 h23 r90
  text "D2" at 4832,2284 h23 r90
  text "D2" at 6032,2284 h23 r90
  text "GND" at 991,2271 h23 r90
  text "GND" at 2191,2271 h23 r90
  text "GND" at 3391,2271 h23 r90
  text "GND" at 4591,2271 h23 r90
  text "GND" at 5791,2271 h23 r90
  text "GND" at 6991,2271 h23 r90
  text "LoRaWan Thailand." at 320,2255 h30
  text "LoRaWan Thailand." at 1520,2255 h30
  text "LoRaWan Thailand." at 2720,2255 h30
  text "LoRaWan Thailand." at 3920,2255 h30
  text "LoRaWan Thailand." at 5120,2255 h30
  text "LoRaWan Thailand." at 6320,2255 h30
  text "ANT" at 32,1872 h23 r90
  text "ANT" at 1232,1872 h23 r90
  text "ANT" at 2432,1872 h23 r90
  text "ANT" at 3632,1872 h23 r90
  text "ANT" at 4832,1872 h23 r90
  text "ANT" at 6032,1872 h23 r90
  text "GND" at 991,1871 h23 r90
  text "GND" at 2191,1871 h23 r90
  text "GND" at 3391,1871 h23 r90
  text "GND" at 4591,1871 h23 r90
  text "GND" at 5791,1871 h23 r90
  text "GND" at 6991,1871 h23 r90
  text "D5" at 991,1787 h23 r90
  text "D5" at 2191,1787 h23 r90
  text "D5" at 3391,1787 h23 r90
  text "D5" at 4591,1787 h23 r90
  text "D5" at 5791,1787 h23 r90
  text "D5" at 6991,1787 h23 r90
  text "GND" at 32,1770 h23 r90
  text "GND" at 1232,1770 h23 r90
  text "GND" at 2432,1770 h23 r90
  text "GND" at 3632,1770 h23 r90
  text "GND" at 4832,1770 h23 r90
  text "GND" at 6032,1770 h23 r90
  text "D3" at 32,1682 h23 r90
  text "D3" at 1232,1682 h23 r90
  text "D3" at 2432,1682 h23 r90
  text "D3" at 3632,1682 h23 r90
  text "D3" at 4832,1682 h23 r90
  text "D3" at 6032,1682 h23 r90
  text "RST" at 991,1673 h23 r90
  text "RST" at 2191,1673 h23 r90
  text "RST" at 3391,1673 h23 r90
  text "RST" at 4591,1673 h23 r90
  text "RST" at 5791,1673 h23 r90
  text "RST" at 6991,1673 h23 r90
  text "NS" at 991,1581 h23 r90
  text "NS" at 2191,1581 h23 r90
  text "NS" at 3391,1581 h23 r90
  text "NS" at 4591,1581 h23 r90
  text "NS" at 5791,1581 h23 r90
  text "NS" at 6991,1581 h23 r90
  text "D4" at 32,1580 h23 r90
  text "D4" at 1232,1580 h23 r90
  text "D4" at 2432,1580 h23 r90
  text "D4" at 3632,1580 h23 r90
  text "D4" at 4832,1580 h23 r90
  text "D4" at 6032,1580 h23 r90
  text "SCK" at 991,1471 h23 r90
  text "SCK" at 2191,1471 h23 r90
  text "SCK" at 3391,1471 h23 r90
  text "SCK" at 4591,1471 h23 r90
  text "SCK" at 5791,1471 h23 r90
  text "SCK" at 6991,1471 h23 r90
  text "VCC" at 32,1468 h23 r90
  text "VCC" at 1232,1468 h23 r90
  text "VCC" at 2432,1468 h23 r90
  text "VCC" at 3632,1468 h23 r90
  text "VCC" at 4832,1468 h23 r90
  text "VCC" at 6032,1468 h23 r90
  text "D0" at 32,1383 h23 r90
  text "D0" at 1232,1383 h23 r90
  text "D0" at 2432,1383 h23 r90
  text "D0" at 3632,1383 h23 r90
  text "D0" at 4832,1383 h23 r90
  text "D0" at 6032,1383 h23 r90
  text "MO" at 991,1380 h23 r90
  text "MO" at 2191,1380 h23 r90
  text "MO" at 3391,1380 h23 r90
  text "MO" at 4591,1380 h23 r90
  text "MO" at 5791,1380 h23 r90
  text "MO" at 6991,1380 h23 r90
  text "MI" at 991,1289 h23 r90
  text "MI" at 2191,1289 h23 r90
  text "MI" at 3391,1289 h23 r90
  text "MI" at 4591,1289 h23 r90
  text "MI" at 5791,1289 h23 r90
  text "MI" at 6991,1289 h23 r90
  text "D1" at 32,1287 h23 r90
  text "D1" at 1232,1287 h23 r90
  text "D1" at 2432,1287 h23 r90
  text "D1" at 3632,1287 h23 r90
  text "D1" at 4832,1287 h23 r90
  text "D1" at 6032,1287 h23 r90
  text "D2" at 32,1184 h23 r90
  text "D2" at 1232,1184 h23 r90
  text "D2" at 2432,1184 h23 r90
  text "D2" at 3632,1184 h23 r90
  text "D2" at 4832,1184 h23 r90
  text "D2" at 6032,1184 h23 r90
  text "GND" at 991,1171 h23 r90
  text "GND" at 2191,1171 h23 r90
  text "GND" at 3391,1171 h23 r90
  text "GND" at 4591,1171 h23 r90
  text "GND" at 5791,1171 h23 r90
  text "GND" at 6991,1171 h23 r90
  text "LoRaWan Thailand." at 320,1155 h30
  text "LoRaWan Thailand." at 1520,1155 h30
  text "LoRaWan Thailand." at 2720,1155 h30
  text "LoRaWan Thailand." at 3920,1155 h30
  text "LoRaWan Thailand." at 5120,1155 h30
  text "LoRaWan Thailand." at 6320,1155 h30
  text "ANT" at 32,772 h23 r90
  text "ANT" at 1232,772 h23 r90
  text "ANT" at 2432,772 h23 r90
  text "ANT" at 3632,772 h23 r90
  text "ANT" at 4832,772 h23 r90
  text "ANT" at 6032,772 h23 r90
  text "GND" at 991,771 h23 r90
  text "GND" at 2191,771 h23 r90
  text "GND" at 3391,771 h23 r90
  text "GND" at 4591,771 h23 r90
  text "GND" at 5791,771 h23 r90
  text "GND" at 6991,771 h23 r90
  text "D5" at 991,687 h23 r90
  text "D5" at 2191,687 h23 r90
  text "D5" at 3391,687 h23 r90
  text "D5" at 4591,687 h23 r90
  text "D5" at 5791,687 h23 r90
  text "D5" at 6991,687 h23 r90
  text "GND" at 32,670 h23 r90
  text "GND" at 1232,670 h23 r90
  text "GND" at 2432,670 h23 r90
  text "GND" at 3632,670 h23 r90
  text "GND" at 4832,670 h23 r90
  text "GND" at 6032,670 h23 r90
  text "D3" at 32,582 h23 r90
  text "D3" at 1232,582 h23 r90
  text "D3" at 2432,582 h23 r90
  text "D3" at 3632,582 h23 r90
  text "D3" at 4832,582 h23 r90
  text "D3" at 6032,582 h23 r90
  text "RST" at 991,573 h23 r90
  text "RST" at 2191,573 h23 r90
  text "RST" at 3391,573 h23 r90
  text "RST" at 4591,573 h23 r90
  text "RST" at 5791,573 h23 r90
  text "RST" at 6991,573 h23 r90
  text "NS" at 991,481 h23 r90
  text "NS" at 2191,481 h23 r90
  text "NS" at 3391,481 h23 r90
  text "NS" at 4591,481 h23 r90
  text "NS" at 5791,481 h23 r90
  text "NS" at 6991,481 h23 r90
  text "D4" at 32,480 h23 r90
  text "D4" at 1232,480 h23 r90
  text "D4" at 2432,480 h23 r90
  text "D4" at 3632,480 h23 r90
  text "D4" at 4832,480 h23 r90
  text "D4" at 6032,480 h23 r90
  text "SCK" at 991,371 h23 r90
  text "SCK" at 2191,371 h23 r90
  text "SCK" at 3391,371 h23 r90
  text "SCK" at 4591,371 h23 r90
  text "SCK" at 5791,371 h23 r90
  text "SCK" at 6991,371 h23 r90
  text "VCC" at 32,368 h23 r90
  text "VCC" at 1232,368 h23 r90
  text "VCC" at 2432,368 h23 r90
  text "VCC" at 3632,368 h23 r90
  text "VCC" at 4832,368 h23 r90
  text "VCC" at 6032,368 h23 r90
  text "D0" at 32,283 h23 r90
  text "D0" at 1232,283 h23 r90
  text "D0" at 2432,283 h23 r90
  text "D0" at 3632,283 h23 r90
  text "D0" at 4832,283 h23 r90
  text "D0" at 6032,283 h23 r90
  text "MO" at 991,280 h23 r90
  text "MO" at 2191,280 h23 r90
  text "MO" at 3391,280 h23 r90
  text "MO" at 4591,280 h23 r90
  text "MO" at 5791,280 h23 r90
  text "MO" at 6991,280 h23 r90
  text "MI" at 991,189 h23 r90
  text "MI" at 2191,189 h23 r90
  text "MI" at 3391,189 h23 r90
  text "MI" at 4591,189 h23 r90
  text "MI" at 5791,189 h23 r90
  text "MI" at 6991,189 h23 r90
  text "D1" at 32,187 h23 r90
  text "D1" at 1232,187 h23 r90
  text "D1" at 2432,187 h23 r90
  text "D1" at 3632,187 h23 r90
  text "D1" at 4832,187 h23 r90
  text "D1" at 6032,187 h23 r90
  text "D2" at 32,84 h23 r90
  text "D2" at 1232,84 h23 r90
  text "D2" at 2432,84 h23 r90
  text "D2" at 3632,84 h23 r90
  text "D2" at 4832,84 h23 r90
  text "D2" at 6032,84 h23 r90
  text "GND" at 991,71 h23 r90
  text "GND" at 2191,71 h23 r90
  text "GND" at 3391,71 h23 r90
  text "GND" at 4591,71 h23 r90
  text "GND" at 5791,71 h23 r90
  text "GND" at 6991,71 h23 r90
  text "LoRaWan Thailand." at 320,55 h30
  text "LoRaWan Thailand." at 1520,55 h30
  text "LoRaWan Thailand." at 2720,55 h30
  text "LoRaWan Thailand." at 3920,55 h30
  text "LoRaWan Thailand." at 5120,55 h30
  text "LoRaWan Thailand." at 6320,55 h30
Mechanical 1:
  drawing of 240 lines, arcs and shapes, not listed
Mechanical 2:
  text "RFM9x" at 400,10700 h50
  text "RFM9x" at 1600,10700 h50
  text "RFM9x" at 2800,10700 h50
  text "RFM9x" at 4000,10700 h50
  text "RFM9x" at 5200,10700 h50
  text "RFM9x" at 6400,10700 h50
  text "RFM9x" at 400,9600 h50
  text "RFM9x" at 1600,9600 h50
  text "RFM9x" at 2800,9600 h50
  text "RFM9x" at 4000,9600 h50
  text "RFM9x" at 5200,9600 h50
  text "RFM9x" at 6400,9600 h50
  text "RFM9x" at 400,8500 h50
  text "RFM9x" at 1600,8500 h50
  text "RFM9x" at 2800,8500 h50
  text "RFM9x" at 4000,8500 h50
  text "RFM9x" at 5200,8500 h50
  text "RFM9x" at 6400,8500 h50
  text "RFM9x" at 400,7400 h50
  text "RFM9x" at 1600,7400 h50
  text "RFM9x" at 2800,7400 h50
  text "RFM9x" at 4000,7400 h50
  text "RFM9x" at 5200,7400 h50
  text "RFM9x" at 6400,7400 h50
  text "RFM9x" at 400,6300 h50
  text "RFM9x" at 1600,6300 h50
  text "RFM9x" at 2800,6300 h50
  text "RFM9x" at 4000,6300 h50
  text "RFM9x" at 5200,6300 h50
  text "RFM9x" at 6400,6300 h50
  text "RFM9x" at 400,5200 h50
  text "RFM9x" at 1600,5200 h50
  text "RFM9x" at 2800,5200 h50
  text "RFM9x" at 4000,5200 h50
  text "RFM9x" at 5200,5200 h50
  text "RFM9x" at 6400,5200 h50
  text "RFM9x" at 400,4100 h50
  text "RFM9x" at 1600,4100 h50
  text "RFM9x" at 2800,4100 h50
  text "RFM9x" at 4000,4100 h50
  text "RFM9x" at 5200,4100 h50
  text "RFM9x" at 6400,4100 h50
  text "RFM9x" at 400,3000 h50
  text "RFM9x" at 1600,3000 h50
  text "RFM9x" at 2800,3000 h50
  text "RFM9x" at 4000,3000 h50
  text "RFM9x" at 5200,3000 h50
  text "RFM9x" at 6400,3000 h50
  text "RFM9x" at 400,1900 h50
  text "RFM9x" at 1600,1900 h50
  text "RFM9x" at 2800,1900 h50
  text "RFM9x" at 4000,1900 h50
  text "RFM9x" at 5200,1900 h50
  text "RFM9x" at 6400,1900 h50
  text "RFM9x" at 400,800 h50
  text "RFM9x" at 1600,800 h50
  text "RFM9x" at 2800,800 h50
  text "RFM9x" at 4000,800 h50
  text "RFM9x" at 5200,800 h50
  text "RFM9x" at 6400,800 h50
Mechanical 3:
  text "LoRaWan Thailand." at 320,9955 h30
  text "LoRaWan Thailand." at 1520,9955 h30
  text "LoRaWan Thailand." at 2720,9955 h30
  text "LoRaWan Thailand." at 3920,9955 h30
  text "LoRaWan Thailand." at 5120,9955 h30
  text "LoRaWan Thailand." at 6320,9955 h30
  text "LoRaWan Thailand." at 320,8855 h30
  text "LoRaWan Thailand." at 1520,8855 h30
  text "LoRaWan Thailand." at 2720,8855 h30
  text "LoRaWan Thailand." at 3920,8855 h30
  text "LoRaWan Thailand." at 5120,8855 h30
  text "LoRaWan Thailand." at 6320,8855 h30
  text "LoRaWan Thailand." at 320,7755 h30
  text "LoRaWan Thailand." at 1520,7755 h30
  text "LoRaWan Thailand." at 2720,7755 h30
  text "LoRaWan Thailand." at 3920,7755 h30
  text "LoRaWan Thailand." at 5120,7755 h30
  text "LoRaWan Thailand." at 6320,7755 h30
  text "LoRaWan Thailand." at 320,6655 h30
  text "LoRaWan Thailand." at 1520,6655 h30
  text "LoRaWan Thailand." at 2720,6655 h30
  text "LoRaWan Thailand." at 3920,6655 h30
  text "LoRaWan Thailand." at 5120,6655 h30
  text "LoRaWan Thailand." at 6320,6655 h30
  text "LoRaWan Thailand." at 320,5555 h30
  text "LoRaWan Thailand." at 1520,5555 h30
  text "LoRaWan Thailand." at 2720,5555 h30
  text "LoRaWan Thailand." at 3920,5555 h30
  text "LoRaWan Thailand." at 5120,5555 h30
  text "LoRaWan Thailand." at 6320,5555 h30
  text "LoRaWan Thailand." at 320,4455 h30
  text "LoRaWan Thailand." at 1520,4455 h30
  text "LoRaWan Thailand." at 2720,4455 h30
  text "LoRaWan Thailand." at 3920,4455 h30
  text "LoRaWan Thailand." at 5120,4455 h30
  text "LoRaWan Thailand." at 6320,4455 h30
  text "LoRaWan Thailand." at 320,3355 h30
  text "LoRaWan Thailand." at 1520,3355 h30
  text "LoRaWan Thailand." at 2720,3355 h30
  text "LoRaWan Thailand." at 3920,3355 h30
  text "LoRaWan Thailand." at 5120,3355 h30
  text "LoRaWan Thailand." at 6320,3355 h30
  text "LoRaWan Thailand." at 320,2255 h30
  text "LoRaWan Thailand." at 1520,2255 h30
  text "LoRaWan Thailand." at 2720,2255 h30
  text "LoRaWan Thailand." at 3920,2255 h30
  text "LoRaWan Thailand." at 5120,2255 h30
  text "LoRaWan Thailand." at 6320,2255 h30
  text "LoRaWan Thailand." at 320,1155 h30
  text "LoRaWan Thailand." at 1520,1155 h30
  text "LoRaWan Thailand." at 2720,1155 h30
  text "LoRaWan Thailand." at 3920,1155 h30
  text "LoRaWan Thailand." at 5120,1155 h30
  text "LoRaWan Thailand." at 6320,1155 h30
  text "LoRaWan Thailand." at 320,55 h30
  text "LoRaWan Thailand." at 1520,55 h30
  text "LoRaWan Thailand." at 2720,55 h30
  text "LoRaWan Thailand." at 3920,55 h30
  text "LoRaWan Thailand." at 5120,55 h30
  text "LoRaWan Thailand." at 6320,55 h30
Mechanical 4:
  circle w10: c6410,10540 r20
  circle w10: c5210,10540 r20
  circle w10: c4010,10540 r20
  circle w10: c2810,10540 r20
  circle w10: c1610,10540 r20
  circle w10: c410,10540 r20
  circle w10: c6410,9440 r20
  circle w10: c5210,9440 r20
  circle w10: c4010,9440 r20
  circle w10: c2810,9440 r20
  circle w10: c1610,9440 r20
  circle w10: c410,9440 r20
  circle w10: c6410,8340 r20
  circle w10: c6410,7240 r20
  circle w10: c6410,6140 r20
  circle w10: c6410,3940 r20
  circle w10: c6410,2840 r20
  circle w10: c6410,1740 r20
  circle w10: c6410,5040 r20
  circle w10: c6410,640 r20
  circle w10: c5210,8340 r20
  circle w10: c2810,8340 r20
  circle w10: c410,8340 r20
  circle w10: c4010,8340 r20
  circle w10: c1610,8340 r20
  circle w10: c5210,7240 r20
  circle w10: c2810,7240 r20
  circle w10: c410,7240 r20
  circle w10: c4010,7240 r20
  circle w10: c1610,7240 r20
  circle w10: c5210,6140 r20
  circle w10: c2810,6140 r20
  circle w10: c410,6140 r20
  circle w10: c4010,6140 r20
  circle w10: c1610,6140 r20
  circle w10: c5210,5040 r20
  circle w10: c2810,5040 r20
  circle w10: c410,5040 r20
  circle w10: c4010,5040 r20
  circle w10: c1610,5040 r20
  circle w10: c5210,3940 r20
  circle w10: c2810,3940 r20
  circle w10: c410,3940 r20
  circle w10: c4010,3940 r20
  circle w10: c1610,3940 r20
  circle w10: c5210,2840 r20
  circle w10: c2810,2840 r20
  circle w10: c410,2840 r20
  circle w10: c4010,2840 r20
  circle w10: c1610,2840 r20
  circle w10: c5210,1740 r20
  circle w10: c2810,1740 r20
  circle w10: c410,1740 r20
  circle w10: c4010,1740 r20
  circle w10: c1610,1740 r20
  circle w10: c5210,640 r20
  circle w10: c4010,640 r20
  circle w10: c2810,640 r20
  circle w10: c1610,640 r20
  circle w10: c410,640 r20
  rectangle: 6395,10525 6425,10555
  rectangle: 5195,10525 5225,10555
  rectangle: 3995,10525 4025,10555
  rectangle: 2795,10525 2825,10555
  rectangle: 1595,10525 1625,10555
  rectangle: 395,10525 425,10555
  rectangle: 6395,9425 6425,9455
  rectangle: 5195,9425 5225,9455
  rectangle: 3995,9425 4025,9455
  rectangle: 2795,9425 2825,9455
  rectangle: 1595,9425 1625,9455
  rectangle: 395,9425 425,9455
  rectangle: 6395,7225 6425,7255
  rectangle: 6395,2825 6425,2855
  rectangle: 6395,8325 6425,8355
  rectangle: 6395,6125 6425,6155
  rectangle: 6395,5025 6425,5055
  rectangle: 6395,3925 6425,3955
  rectangle: 6395,1725 6425,1755
  rectangle: 6395,625 6425,655
  rectangle: 5195,8325 5225,8355
  rectangle: 2795,8325 2825,8355
  rectangle: 395,8325 425,8355
  rectangle: 3995,8325 4025,8355
  rectangle: 1595,8325 1625,8355
  rectangle: 5195,7225 5225,7255
  rectangle: 2795,7225 2825,7255
  rectangle: 395,7225 425,7255
  rectangle: 3995,7225 4025,7255
  rectangle: 1595,7225 1625,7255
  rectangle: 5195,6125 5225,6155
  rectangle: 2795,6125 2825,6155
  rectangle: 395,6125 425,6155
  rectangle: 3995,6125 4025,6155
  rectangle: 1595,6125 1625,6155
  rectangle: 5195,5025 5225,5055
  rectangle: 2795,5025 2825,5055
  rectangle: 395,5025 425,5055
  rectangle: 3995,5025 4025,5055
  rectangle: 1595,5025 1625,5055
  rectangle: 5195,3925 5225,3955
  rectangle: 2795,3925 2825,3955
  rectangle: 395,3925 425,3955
  rectangle: 3995,3925 4025,3955
  rectangle: 1595,3925 1625,3955
  rectangle: 5195,2825 5225,2855
  rectangle: 2795,2825 2825,2855
  rectangle: 395,2825 425,2855
  rectangle: 3995,2825 4025,2855
  rectangle: 1595,2825 1625,2855
  rectangle: 5195,1725 5225,1755
  rectangle: 2795,1725 2825,1755
  rectangle: 395,1725 425,1755
  rectangle: 3995,1725 4025,1755
  rectangle: 1595,1725 1625,1755
  rectangle: 5195,625 5225,655
  rectangle: 3995,625 4025,655
  rectangle: 2795,625 2825,655
  rectangle: 1595,625 1625,655
  rectangle: 395,625 425,655
Mechanical 5:
  text "TouYunG" at 410,10035 h25
  text "TouYunG" at 1610,10035 h25
  text "TouYunG" at 2810,10035 h25
  text "TouYunG" at 4010,10035 h25
  text "TouYunG" at 5210,10035 h25
  text "TouYunG" at 6410,10035 h25
  text "TouYunG" at 410,8935 h25
  text "TouYunG" at 1610,8935 h25
  text "TouYunG" at 2810,8935 h25
  text "TouYunG" at 4010,8935 h25
  text "TouYunG" at 5210,8935 h25
  text "TouYunG" at 6410,8935 h25
  text "TouYunG" at 410,7835 h25
  text "TouYunG" at 1610,7835 h25
  text "TouYunG" at 2810,7835 h25
  text "TouYunG" at 4010,7835 h25
  text "TouYunG" at 5210,7835 h25
  text "TouYunG" at 6410,7835 h25
  text "TouYunG" at 410,6735 h25
  text "TouYunG" at 1610,6735 h25
  text "TouYunG" at 2810,6735 h25
  text "TouYunG" at 4010,6735 h25
  text "TouYunG" at 5210,6735 h25
  text "TouYunG" at 6410,6735 h25
  text "TouYunG" at 410,5635 h25
  text "TouYunG" at 1610,5635 h25
  text "TouYunG" at 2810,5635 h25
  text "TouYunG" at 4010,5635 h25
  text "TouYunG" at 5210,5635 h25
  text "TouYunG" at 6410,5635 h25
  text "TouYunG" at 410,4535 h25
  text "TouYunG" at 1610,4535 h25
  text "TouYunG" at 2810,4535 h25
  text "TouYunG" at 4010,4535 h25
  text "TouYunG" at 5210,4535 h25
  text "TouYunG" at 6410,4535 h25
  text "TouYunG" at 410,3435 h25
  text "TouYunG" at 1610,3435 h25
  text "TouYunG" at 2810,3435 h25
  text "TouYunG" at 4010,3435 h25
  text "TouYunG" at 5210,3435 h25
  text "TouYunG" at 6410,3435 h25
  text "TouYunG" at 410,2335 h25
  text "TouYunG" at 1610,2335 h25
  text "TouYunG" at 2810,2335 h25
  text "TouYunG" at 4010,2335 h25
  text "TouYunG" at 5210,2335 h25
  text "TouYunG" at 6410,2335 h25
  text "TouYunG" at 410,1235 h25
  text "TouYunG" at 1610,1235 h25
  text "TouYunG" at 2810,1235 h25
  text "TouYunG" at 4010,1235 h25
  text "TouYunG" at 5210,1235 h25
  text "TouYunG" at 6410,1235 h25
  text "TouYunG" at 410,135 h25
  text "TouYunG" at 1610,135 h25
  text "TouYunG" at 2810,135 h25
  text "TouYunG" at 4010,135 h25
  text "TouYunG" at 5210,135 h25
  text "TouYunG" at 6410,135 h25

## Dimensions
2200,0 to 2400,0 on Mechanical 16
0,2200 to 0,2000 on Mechanical 16
0,0 to 1000,0 on Mechanical 16
40,50 to 960,50 on Mechanical 16
90,100 to 910,100 on Mechanical 16
0,900 to 0,0 on Mechanical 16

## Text inside footprints (layer, text, board x,y; h text height)
RFM9x: Top Overlay "IC" at 6565,10174 h40
RFM9x: Top Overlay "IC" at 5365,10174 h40
RFM9x: Top Overlay "IC" at 4165,10174 h40
RFM9x: Top Overlay "IC" at 2965,10174 h40
RFM9x: Top Overlay "IC" at 1765,10174 h40
RFM9x: Top Overlay "IC" at 565,10174 h40
RFM9x: Top Overlay "IC" at 6565,9074 h40
RFM9x: Top Overlay "IC" at 5365,9074 h40
RFM9x: Top Overlay "IC" at 4165,9074 h40
RFM9x: Top Overlay "IC" at 2965,9074 h40
RFM9x: Top Overlay "IC" at 1765,9074 h40
RFM9x: Top Overlay "IC" at 565,9074 h40
RFM9x: Top Overlay "IC" at 6565,7974 h40
RFM9x: Top Overlay "IC" at 6565,6874 h40
RFM9x: Top Overlay "IC" at 6565,5774 h40
RFM9x: Top Overlay "IC" at 6565,4674 h40
RFM9x: Top Overlay "IC" at 6565,3574 h40
RFM9x: Top Overlay "IC" at 6565,2474 h40
RFM9x: Top Overlay "IC" at 6565,1374 h40
RFM9x: Top Overlay "IC" at 6565,274 h40
RFM9x: Top Overlay "IC" at 5365,7974 h40
RFM9x: Top Overlay "IC" at 4165,7974 h40
RFM9x: Top Overlay "IC" at 2965,7974 h40
RFM9x: Top Overlay "IC" at 1765,7974 h40
RFM9x: Top Overlay "IC" at 565,7974 h40
RFM9x: Top Overlay "IC" at 5365,6874 h40
RFM9x: Top Overlay "IC" at 4165,6874 h40
RFM9x: Top Overlay "IC" at 2965,6874 h40
RFM9x: Top Overlay "IC" at 1765,6874 h40
RFM9x: Top Overlay "IC" at 565,6874 h40
RFM9x: Top Overlay "IC" at 5365,5774 h40
RFM9x: Top Overlay "IC" at 4165,5774 h40
RFM9x: Top Overlay "IC" at 2965,5774 h40
RFM9x: Top Overlay "IC" at 1765,5774 h40
RFM9x: Top Overlay "IC" at 565,5774 h40
RFM9x: Top Overlay "IC" at 5365,4674 h40
RFM9x: Top Overlay "IC" at 4165,4674 h40
RFM9x: Top Overlay "IC" at 2965,4674 h40
RFM9x: Top Overlay "IC" at 1765,4674 h40
RFM9x: Top Overlay "IC" at 565,4674 h40
RFM9x: Top Overlay "IC" at 5365,3574 h40
RFM9x: Top Overlay "IC" at 4165,3574 h40
RFM9x: Top Overlay "IC" at 2965,3574 h40
RFM9x: Top Overlay "IC" at 1765,3574 h40
RFM9x: Top Overlay "IC" at 565,3574 h40
RFM9x: Top Overlay "IC" at 5365,2474 h40
RFM9x: Top Overlay "IC" at 4165,2474 h40
RFM9x: Top Overlay "IC" at 2965,2474 h40
RFM9x: Top Overlay "IC" at 1765,2474 h40
RFM9x: Top Overlay "IC" at 565,2474 h40
RFM9x: Top Overlay "IC" at 5365,1374 h40
RFM9x: Top Overlay "IC" at 4165,1374 h40